# KiCad board reform2-motherboard25.kicad_pcb (continued)
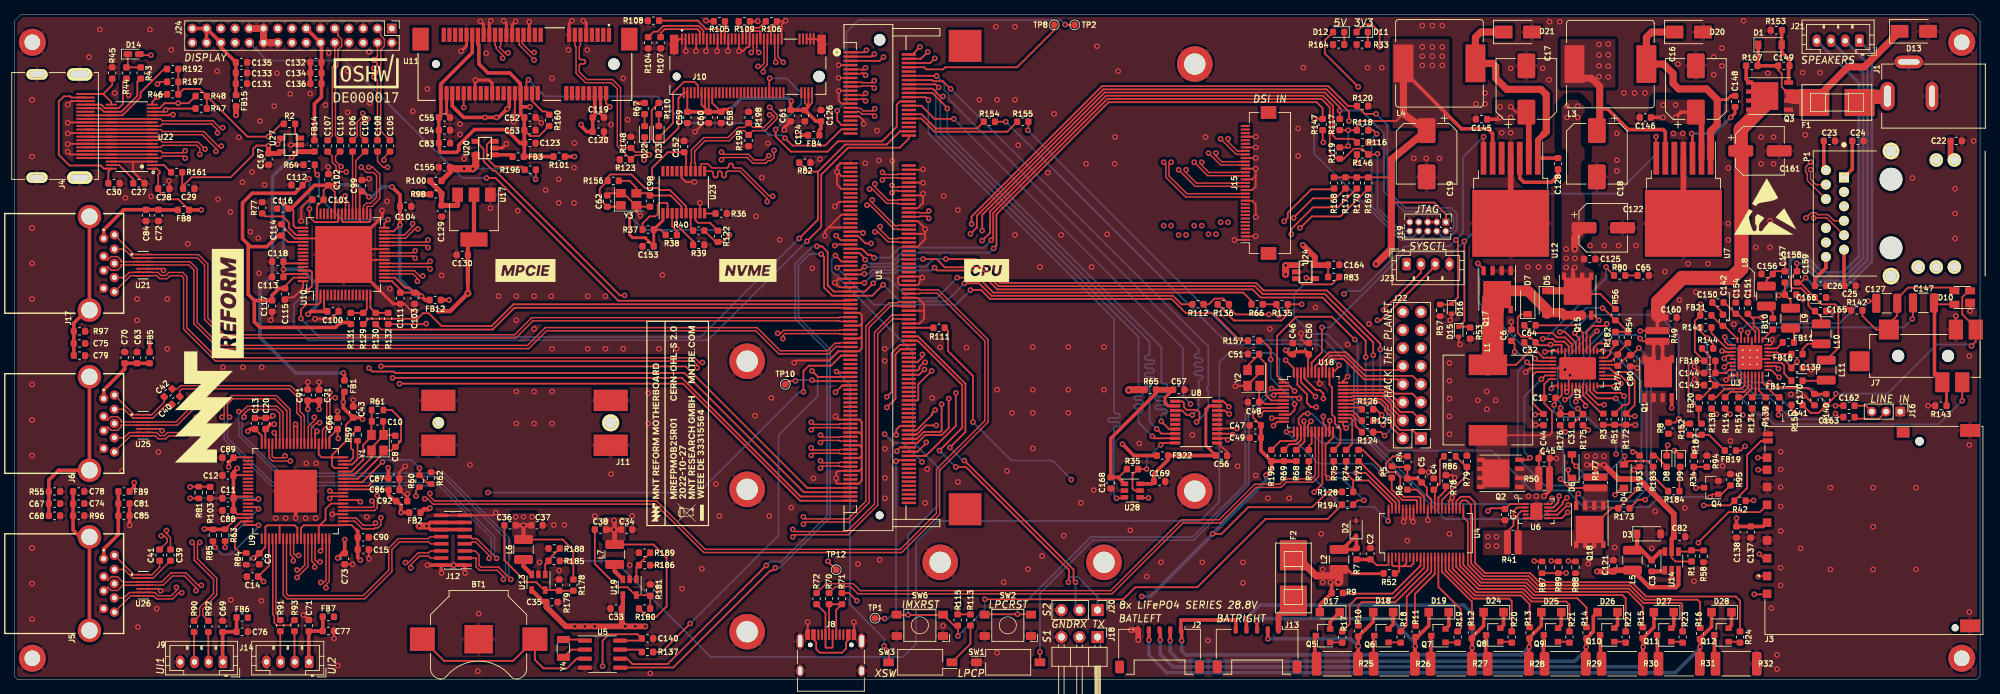
[diagram p0: board, top side]
## Routing (per net, layer and track width the routed paths; a pad name or vN(x,y) marks a point on that pad's centre or on a via; arc(x,y) is an arc through that point) (continued)
Net-(R193-Pad2): length 14.7
  Top w0.25: R193.2 227.69,32 v1(227.25,32) ; U2.11 221.75,40.74 222.19,40.3 225.55,40.3 v1(226,39.85)
  Bottom w0.25: v1(226,39.85) 226.17,39.68 226.17,33.08 v1(227.25,32)
Net-(R196-Pad1): length 9.1
  Top w0.25: U20.3 66.81,75.65 66.35,75.19 66.35,73.26 67.51,72.1 71.21,72.1 R196.1
Net-(TP1-Pad1): length 26.3
  Top w0.25: v1(122.2,8.6) 120.9,8.6 TP1.1 ; U1.180 123.95,30.85 v1(123.8,30.7)
  Bottom w0.25: v1(122.2,8.6) 122.7,8.6 123.8,9.7 v1(123.8,30.7)
Net-(TP2-Pad1): length 48.1
  Top w0.25: v1(115.55,79.95) 115.55,78.55 116.15,77.95 U1.35 ; v1(147.55,92.05) 147.6,92 TP2.1
  Bottom w0.25: v1(115.55,79.95) 116.85,81.25 116.85,91 118.55,92.7 146.9,92.7 v1(147.55,92.05)
Net-(TP8-Pad1): length 23.6
  Top w0.25: TP8.1 146,91.25 140.8,86.05 130.7,86.05 130.4,85.75 128.05,85.75 127.75,86.05 U1.8
Net-(TP10-Pad1): length 9.5
  Top w0.25: U1.143 112.15,41.95 v1(112,42.1) ; v1(109.67,42) 108.75,42 TP10.1
  Bottom w0.25: v1(112,42.1) 109.77,42.1 v1(109.67,42)
Net-(TP12-Pad1): length 23.1
  Top w0.25: v1(123.9,32.1) 123.9,32.2 124.35,32.65 U1.174 ; v1(114.25,16.65) 114.25,16.6 TP12.1
  Signal.Cu w0.25: v1(114.25,16.65) 114.25,22.45 v1(123.9,32.1)
Net-(U5-Pad1): length 3.1
  Top w0.25: Y4.1 79.98,5.65 U5.1
Net-(U5-Pad2): length 3.5
  Top w0.25: Y4.2 78.19,4.24 80.12,4.24
Net-(U6-Pad6): length 11.1
  Top w0.25: U6.6 217.28,22.7 v1(218.1,23.52) ; R88.2 218.27,16.62 v1(218.2,16.7)
  Power.Cu w0.25: v1(218.1,23.52) 218.2,23.42 v1(218.2,16.7)
Net-(U6-Pad7): length 13.5
  Top w0.25: U6.7 216.7,23.2 218.1,24.6 v1(218.2,24.6) ; v1(215.8,16.7) 215.88,16.62 R89.1
  Power.Cu w0.25: v1(218.2,24.6) 218.15,24.6 215.8,22.25 v1(215.8,16.7)
Net-(U6-Pad8): length 15.7
  Top w0.25: v1(218,25.58) 217.4,24.98 217.4,24.7 216.4,23.7 U6.8 ; R87.1 213.47,16.62 v1(213.4,16.7)
  Power.Cu w0.25: v1(213.4,16.7) 213.4,21.1 217.88,25.58 v1(218,25.58)
unconnected-(J8-PadA4): length 8.9
  Top w0.25: 117.1,6.34 117.1,5.59 116.8,5.29 116.8,4.4 116.2,3.8 113.1,3.8 112.6,4.3 112.6,5.29 112.2,5.69 112.2,6.34

## Copper pours and planes (outline as drawn; the poured copper is in the pictures)
30V_GATE on Top: 207.9,81.5 211,81.5 211,78 207.9,78
30V_GATE on Top: 220,28 220,32.1 224,32.1 224,28
30V_GATE on Top: 235,81.5 230.5,81.5 230.5,78 235,78
30V_GATE on Top: 221.75,58 221.75,55.75 217.25,55.75 217.25,81.5 220.5,81.5 220.5,58
30V_GATE on Power.Cu: 217.2,61.5 220.3,61.5 220.3,59.1 221.8,57.6 221.8,45.4 224.1,43.1 224.1,29.5 220,29.5 220,34.8 221.1,35.94 221.1,41.46 220.4,42.2 217.2,45.4
30V_GATE on Power.Cu: 234.5,81.5 207.9,81.5 207.9,78 234.5,78
+1V2 on Top: 69.9,23.4 73.2,23.4 73.2,20.1 69.9,20.1
+1V2 on Power.Cu: 69.9,23.4 73.2,23.4 73.2,20.1 69.9,20.1
+1V5 on Top: 82.6,22.82 85.9,22.82 85.9,19.52 82.6,19.52
+1V5 on Power.Cu: 82.59,22.9 85.89,22.9 85.89,19.6 82.59,19.6
+3V3 on Top: 193.5,90 201.5,90 201.5,77.5 193.5,77.5
+3V3 on Power.Cu: 196.75,90.25 201.5,90.25 201.5,85 196.75,85
+5V on Top: 217.1,83.2 224.8,83.2 224.8,90 217.1,90
+5V on Power.Cu: 217.1,83.2 224.8,83.2 224.8,90 217.1,90
/Reform 2 Power/VIN on Top: 229.08,49.3 229.08,52 232.48,52 232.48,49.3
GND on Top: -0.5,93.5 276.5,93.5 276.5,-0.5 -0.5,-0.5
GND on Top: 206.9,56.52 206.9,60.42 210.8,60.42 210.8,56.52
GND on Bottom: 276.5,93.5 276.5,-0.5 -0.5,-0.5 -0.5,93.5
GND on GND.Cu: 276.5,93.5 276.5,-0.5 -0.5,-0.5 -0.5,93.5
GND on Signal.Cu: 276.5,93.5 276.5,-0.5 -0.5,-0.5 -0.5,93.5
GND on Power.Cu: -0.5,93.5 276.5,93.5 276.5,-0.5 -0.5,-0.5
GND on GND2.Cu: 276.5,93.5 276.5,-0.5 -0.5,-0.5 -0.5,93.5
/Reform 2 Power/BAT1FUSED on Top: 209.7,21 206.2,21 206.2,17.5 209.7,17.5
/Reform 2 Power/BAT1FUSED on Top: 187.3,16.1 183.1,16.1 183.1,13.1 187.3,13.1
/Reform 2 Power/BAT1FUSED on Power.Cu: 208.8,20.8 206.2,20.8 206.2,18.1 208.8,18.1
/Reform 2 Power/BAT1FUSED on Power.Cu: 183.1,13.1 183.1,16.1 187.3,16.1 187.3,13.1
CHGBAT on Top: 211.2,21 219,21 219,23.1 223,23.1 223,17.5 211.2,17.5
Net-(C1-Pad2) on Top: 205.25,35.75 211.9,35.75 211.9,34.9 228.5,34.9 228.5,40.6 233.2,40.6 233.2,37.1 230.9,37.1 230.9,32.6 210,32.6 210,26.75 205.25,26.75
Net-(C45-Pad2) on Top: 214,30.1 214,26.5 210.6,26.5 210.6,30.1
Net-(C149-Pad1) on Top: 248.45,83 252.7,83 252.7,79.25 248.45,79.25
Net-(Q1-Pad5) on Top: 228.4,46.7 229,46.7 229,47.7 233.1,47.7 233.1,44.4 228.4,44.4
Net-(Q18-Pad1) on Top: 220.1,27.3 223.8,27.3 223.8,23.6 220.1,23.6

## Text on the board
F.Silkscreen: DISPLAY | XSW | IMXRST | LPCP | LPCRST | GNDRX TX | BATLEFT | BATRIGHT | DSI IN | 5V | 3V3 | JTAG | SYSCTL | SPEAKERS | LINE IN | 8x LiFePO4 SERIES 28.8V | UI1 | UI2 | S2 | S1 | HACK THE PLANET
